# Altium PCB PCB_wordclocksmall_2022-11-05.pcbdoc (part 2 of 5)
Units mm, origin at the board's own origin, x right, y up, seen from the top; angles counter-clockwise.
Board outline 235.71 x 238.24 mm, 2 copper layers (Top Layer, Bottom Layer); 312 components, 226 nets, 1026 pads, 204 vias.
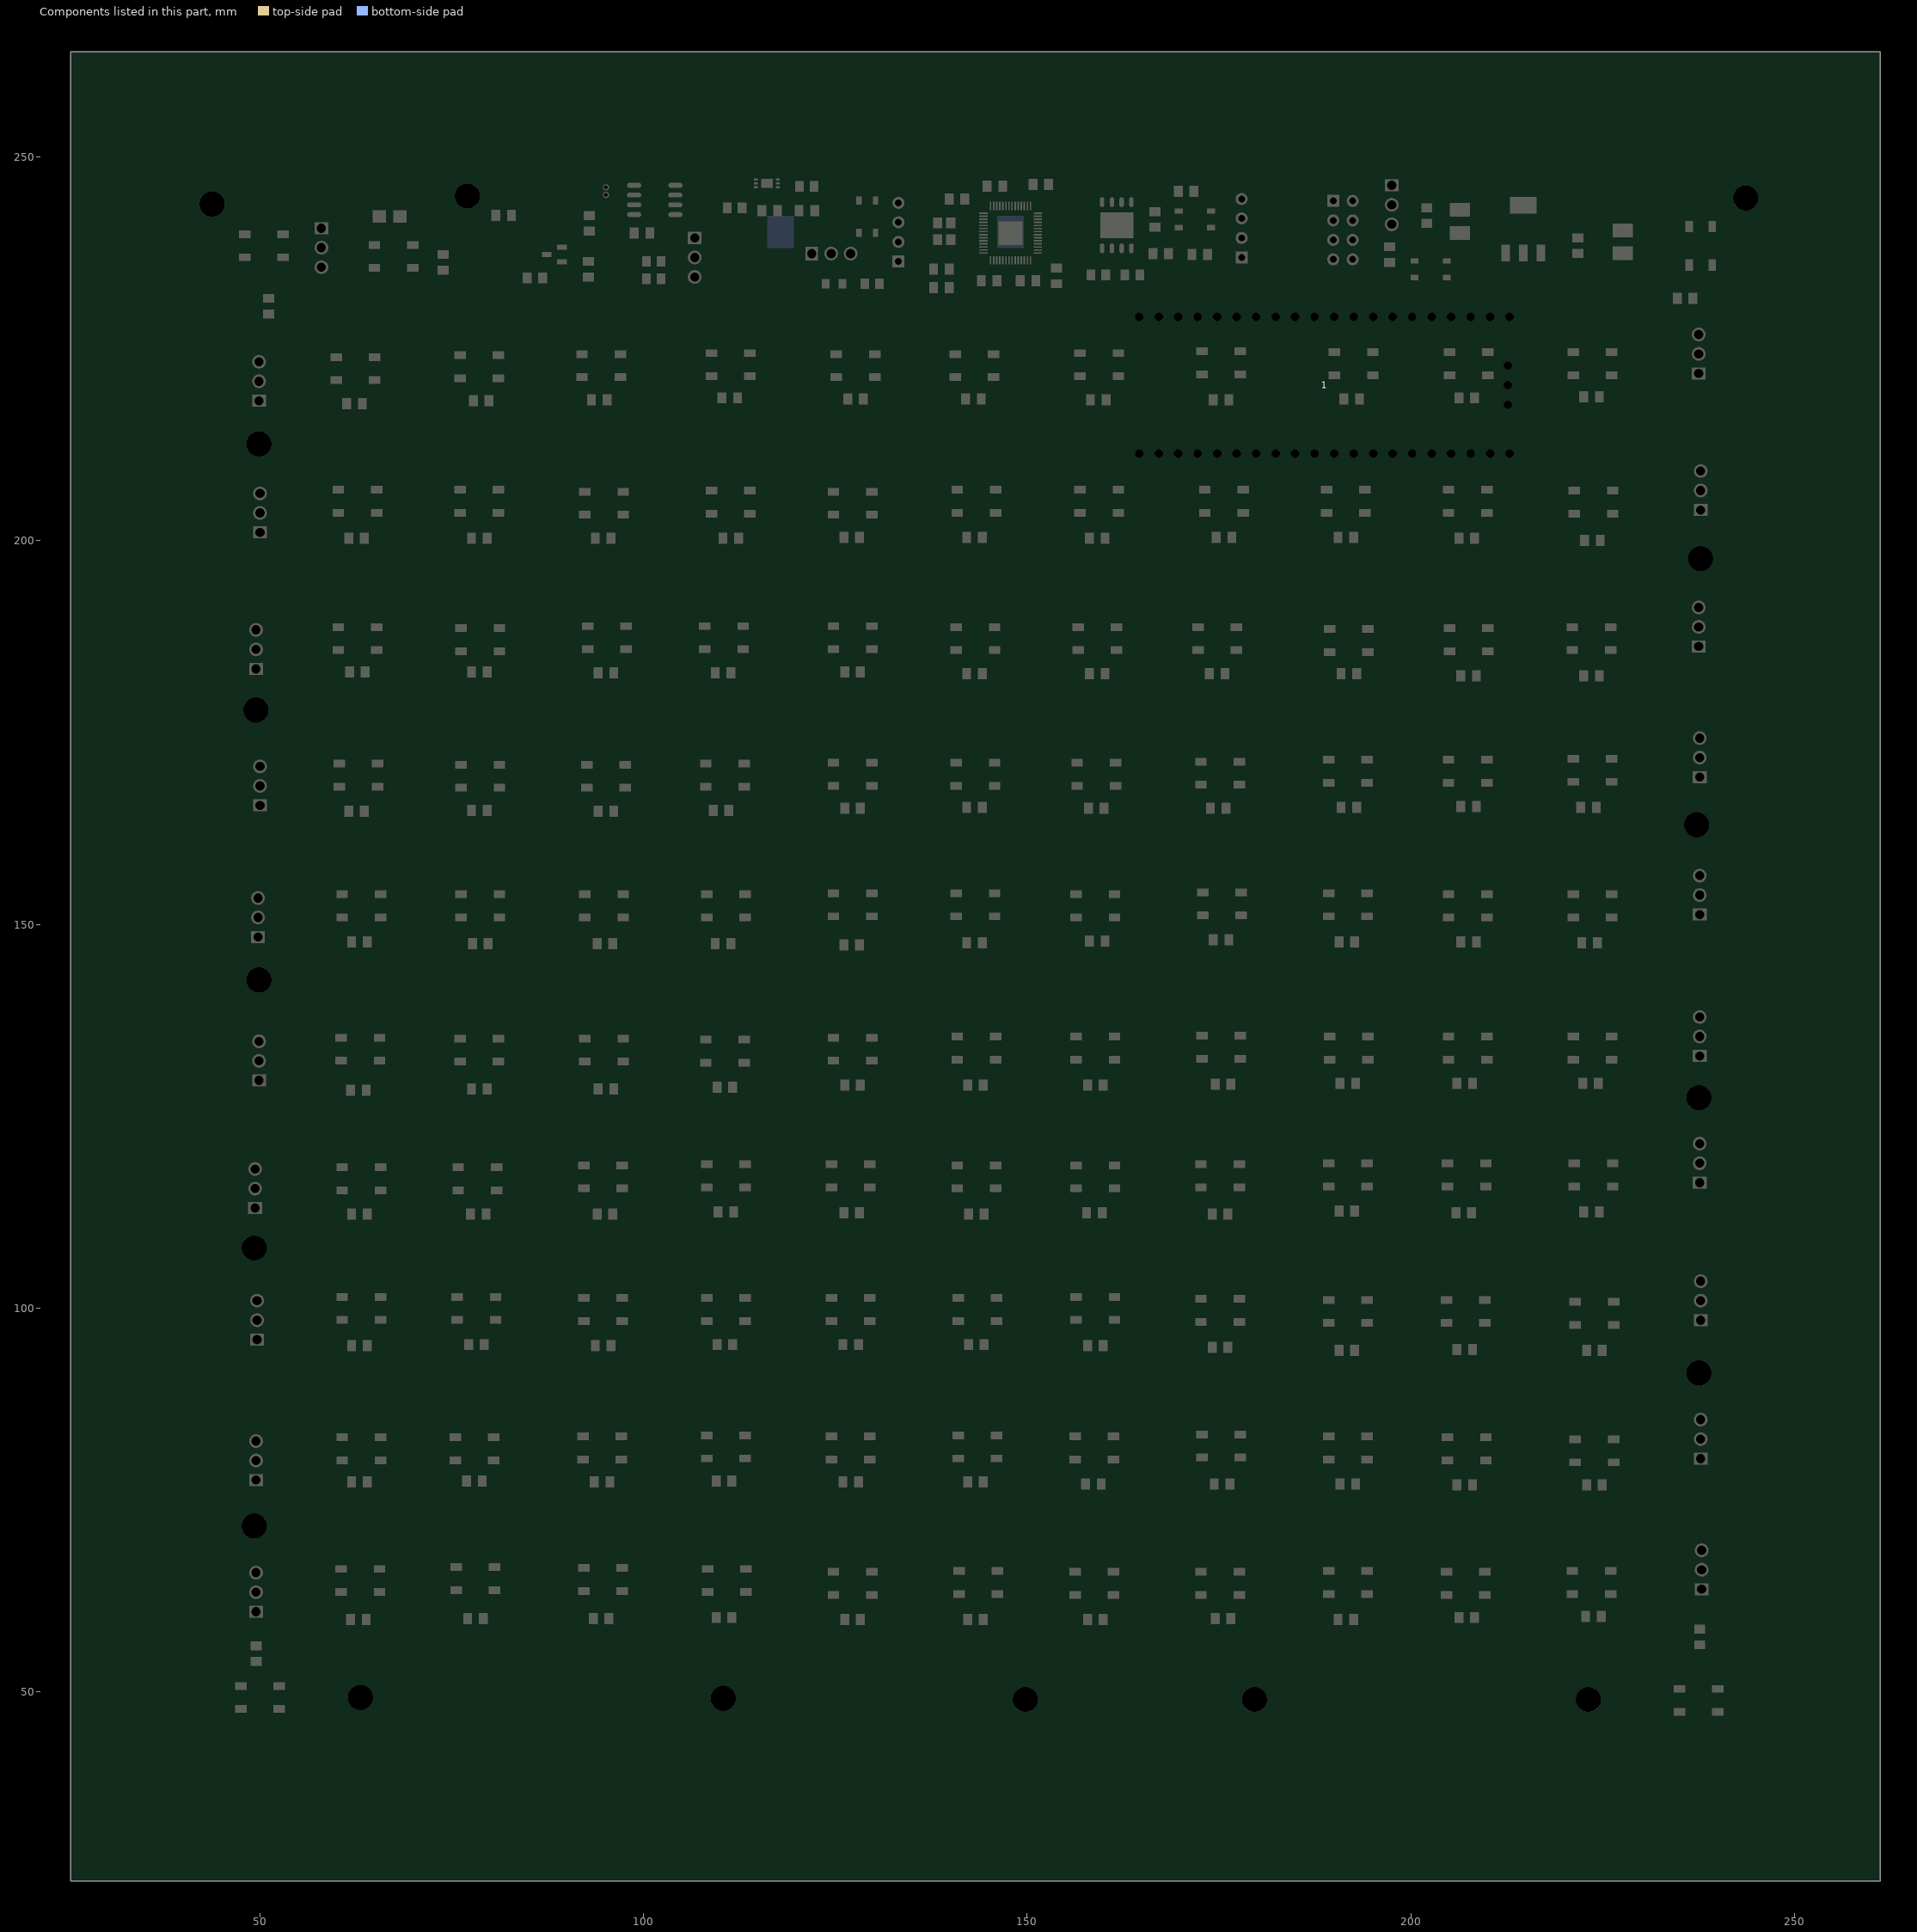
[diagram p2: the components of this part, seen from the top]

## Footprints (in the part's own frame and the unit in brackets; to place one, negate y for a bottom-side part, rotate by r counter-clockwise, add the part's x,y. Pads: shape width x height; smd on the part's side, far side on the other; paste and mask are expansions set on the pad) (continued)
RASPBERRYPIPICO [mm]
  round 0 hole 1.1 slot 1.1 at 90 deg: 3V3(OUT)(-10.16,-17.78) 3V3_EN(-7.62,-17.78) GND(-5.08,0) GND1(-17.78,0) GND2(-30.48,0) GND3(-43.18,0) GND4(-5.08,-17.78) GND5(-17.78,-17.78) GND6(-30.48,-17.78) GND7(-43.18,-17.78) GP0(0,0) GP1(-2.54,0) GP2(-7.62,0) GP3(-10.16,0) GP4(-12.7,0) GP5(-15.24,0) GP6(-20.32,0) GP7(-22.86,0) GP8(-25.4,0) GP9(-27.94,0) GP10(-33.02,0) GP11(-35.56,0) GP12(-38.1,0) GP13(-40.64,0) GP14(-45.72,0) GP15(-48.26,0) GP16(-48.26,-17.78) GP17(-45.72,-17.78) GP18(-40.64,-17.78) GP19(-38.1,-17.78) GP20(-35.56,-17.78) GP21(-33.02,-17.78) GP22(-27.94,-17.78) GP26(-22.86,-17.78) GP27(-20.32,-17.78) GP28(-15.24,-17.78) VSYS(-2.54,-17.78)
  round 0 hole 1.1 slot 1.1 at 0 deg: ADC_VREF(-12.7,-17.78) GND8(-48.03,-8.89) RUN(-25.4,-17.78) SWCLK(-48.03,-6.35) SWDIO(-48.03,-11.43) VBUS(0,-17.78)
  Top Layer region: 0.825,0 0.818,-0.103 0.799,-0.205 0.767,-0.304 0.723,-0.398 0.668,-0.485 0.601,-0.565 0.526,-0.636 0.442,-0.696 0.351,-0.747 0.255,-0.785 0.155,-0.81 0.052,-0.823 -0.052,-0.823 -0.155,-0.81 -0.255,-0.785 -0.351,-0.747 -0.442,-0.696 -0.526,-0.636 -0.601,-0.565 -0.668,-0.485 -0.723,-0.398 -0.767,-0.304 -0.799,-0.205 -0.818,-0.103 -0.825,0 -0.825,1.65 -0.818,1.753 -0.799,1.855 -0.767,1.954 -0.723,2.047 -0.668,2.135 -0.601,2.215 -0.526,2.286 -0.442,2.346 -0.351,2.396 -0.255,2.435 -0.155,2.46 -0.052,2.473 0.052,2.473 0.155,2.46 0.255,2.435 0.351,2.396 0.442,2.346 0.526,2.286 0.601,2.215 0.668,2.135 0.723,2.047 0.767,1.954 0.799,1.855 0.818,1.753 0.825,1.65
  Top Layer region: -1.715,0 -1.722,-0.103 -1.741,-0.205 -1.773,-0.304 -1.817,-0.398 -1.872,-0.485 -1.939,-0.565 -2.014,-0.636 -2.098,-0.696 -2.189,-0.747 -2.285,-0.785 -2.385,-0.81 -2.488,-0.823 -2.592,-0.823 -2.695,-0.81 -2.795,-0.785 -2.891,-0.747 -2.982,-0.696 -3.066,-0.636 -3.141,-0.565 -3.208,-0.485 -3.263,-0.398 -3.307,-0.304 -3.339,-0.205 -3.358,-0.103 -3.365,0 -3.365,1.65 -3.358,1.753 -3.339,1.855 -3.307,1.954 -3.263,2.047 -3.208,2.135 -3.141,2.215 -3.066,2.286 -2.982,2.346 -2.891,2.396 -2.795,2.435 -2.695,2.46 -2.592,2.473 -2.488,2.473 -2.385,2.46 -2.285,2.435 -2.189,2.396 -2.098,2.346 -2.014,2.286 -1.939,2.215 -1.872,2.135 -1.817,2.047 -1.773,1.954 -1.741,1.855 -1.722,1.753 -1.715,1.65
  Top Layer region: -4.255,0 -4.262,-0.103 -4.281,-0.205 -4.313,-0.304 -4.357,-0.398 -4.412,-0.485 -4.479,-0.565 -4.554,-0.636 -4.638,-0.696 -4.729,-0.747 -4.825,-0.785 -4.925,-0.81 -5.028,-0.823 -5.132,-0.823 -5.235,-0.81 -5.335,-0.785 -5.431,-0.747 -5.522,-0.696 -5.606,-0.636 -5.681,-0.565 -5.748,-0.485 -5.803,-0.398 -5.847,-0.304 -5.879,-0.205 -5.898,-0.103 -5.905,0 -5.905,1.65 -5.898,1.753 -5.879,1.855 -5.847,1.954 -5.803,2.047 -5.748,2.135 -5.681,2.215 -5.606,2.286 -5.522,2.346 -5.431,2.396 -5.335,2.435 -5.235,2.46 -5.132,2.473 -5.028,2.473 -4.925,2.46 -4.825,2.435 -4.729,2.396 -4.638,2.346 -4.554,2.286 -4.479,2.215 -4.412,2.135 -4.357,2.047 -4.313,1.954 -4.281,1.855 -4.262,1.753 -4.255,1.65
  Top Layer region: -6.795,0 -6.802,-0.103 -6.821,-0.205 -6.853,-0.304 -6.897,-0.398 -6.952,-0.485 -7.019,-0.565 -7.094,-0.636 -7.178,-0.696 -7.269,-0.747 -7.365,-0.785 -7.465,-0.81 -7.568,-0.823 -7.672,-0.823 -7.775,-0.81 -7.875,-0.785 -7.971,-0.747 -8.062,-0.696 -8.146,-0.636 -8.221,-0.565 -8.288,-0.485 -8.343,-0.398 -8.387,-0.304 -8.419,-0.205 -8.438,-0.103 -8.445,0 -8.445,1.65 -8.438,1.753 -8.419,1.855 -8.387,1.954 -8.343,2.047 -8.288,2.135 -8.221,2.215 -8.146,2.286 -8.062,2.346 -7.971,2.396 -7.875,2.435 -7.775,2.46 -7.672,2.473 -7.568,2.473 -7.465,2.46 -7.365,2.435 -7.269,2.396 -7.178,2.346 -7.094,2.286 -7.019,2.215 -6.952,2.135 -6.897,2.047 -6.853,1.954 -6.821,1.855 -6.802,1.753 -6.795,1.65
  Top Layer region: -9.335,0 -9.342,-0.103 -9.361,-0.205 -9.393,-0.304 -9.437,-0.398 -9.492,-0.485 -9.559,-0.565 -9.634,-0.636 -9.718,-0.696 -9.809,-0.747 -9.905,-0.785 -10.005,-0.81 -10.108,-0.823 -10.212,-0.823 -10.315,-0.81 -10.415,-0.785 -10.511,-0.747 -10.602,-0.696 -10.686,-0.636 -10.761,-0.565 -10.828,-0.485 -10.883,-0.398 -10.927,-0.304 -10.959,-0.205 -10.978,-0.103 -10.985,0 -10.985,1.65 -10.978,1.753 -10.959,1.855 -10.927,1.954 -10.883,2.047 -10.828,2.135 -10.761,2.215 -10.686,2.286 -10.602,2.346 -10.511,2.396 -10.415,2.435 -10.315,2.46 -10.212,2.473 -10.108,2.473 -10.005,2.46 -9.905,2.435 -9.809,2.396 -9.718,2.346 -9.634,2.286 -9.559,2.215 -9.492,2.135 -9.437,2.047 -9.393,1.954 -9.361,1.855 -9.342,1.753 -9.335,1.65
  Top Layer region: -11.875,0 -11.881,-0.103 -11.901,-0.205 -11.933,-0.304 -11.977,-0.398 -12.032,-0.485 -12.099,-0.565 -12.174,-0.636 -12.258,-0.696 -12.349,-0.747 -12.445,-0.785 -12.545,-0.81 -12.648,-0.823 -12.752,-0.823 -12.855,-0.81 -12.955,-0.785 -13.051,-0.747 -13.142,-0.696 -13.226,-0.636 -13.301,-0.565 -13.368,-0.485 -13.423,-0.398 -13.467,-0.304 -13.499,-0.205 -13.518,-0.103 -13.525,0 -13.525,1.65 -13.518,1.753 -13.499,1.855 -13.467,1.954 -13.423,2.047 -13.368,2.135 -13.301,2.215 -13.226,2.286 -13.142,2.346 -13.051,2.396 -12.955,2.435 -12.855,2.46 -12.752,2.473 -12.648,2.473 -12.545,2.46 -12.445,2.435 -12.349,2.396 -12.258,2.346 -12.174,2.286 -12.099,2.215 -12.032,2.135 -11.977,2.047 -11.933,1.954 -11.901,1.855 -11.881,1.753 -11.875,1.65
  Top Layer region: -14.415,0 -14.421,-0.103 -14.441,-0.205 -14.473,-0.304 -14.517,-0.398 -14.572,-0.485 -14.639,-0.565 -14.714,-0.636 -14.798,-0.696 -14.889,-0.747 -14.985,-0.785 -15.085,-0.81 -15.188,-0.823 -15.292,-0.823 -15.394,-0.81 -15.495,-0.785 -15.591,-0.747 -15.682,-0.696 -15.766,-0.636 -15.841,-0.565 -15.908,-0.485 -15.963,-0.398 -16.007,-0.304 -16.039,-0.205 -16.058,-0.103 -16.065,0 -16.065,1.65 -16.058,1.753 -16.039,1.855 -16.007,1.954 -15.963,2.047 -15.908,2.135 -15.841,2.215 -15.766,2.286 -15.682,2.346 -15.591,2.396 -15.495,2.435 -15.394,2.46 -15.292,2.473 -15.188,2.473 -15.085,2.46 -14.985,2.435 -14.889,2.396 -14.798,2.346 -14.714,2.286 -14.639,2.215 -14.572,2.135 -14.517,2.047 -14.473,1.954 -14.441,1.855 -14.421,1.753 -14.415,1.65
  Top Layer region: -16.955,0 -16.961,-0.103 -16.981,-0.205 -17.013,-0.304 -17.057,-0.398 -17.112,-0.485 -17.179,-0.565 -17.254,-0.636 -17.338,-0.696 -17.429,-0.747 -17.525,-0.785 -17.625,-0.81 -17.728,-0.823 -17.832,-0.823 -17.934,-0.81 -18.035,-0.785 -18.131,-0.747 -18.222,-0.696 -18.306,-0.636 -18.381,-0.565 -18.448,-0.485 -18.503,-0.398 -18.547,-0.304 -18.579,-0.205 -18.598,-0.103 -18.605,0 -18.605,1.65 -18.598,1.753 -18.579,1.855 -18.547,1.954 -18.503,2.047 -18.448,2.135 -18.381,2.215 -18.306,2.286 -18.222,2.346 -18.131,2.396 -18.035,2.435 -17.934,2.46 -17.832,2.473 -17.728,2.473 -17.625,2.46 -17.525,2.435 -17.429,2.396 -17.338,2.346 -17.254,2.286 -17.179,2.215 -17.112,2.135 -17.057,2.047 -17.013,1.954 -16.981,1.855 -16.961,1.753 -16.955,1.65
  Top Layer region: -19.495,0 -19.501,-0.103 -19.521,-0.205 -19.553,-0.304 -19.597,-0.398 -19.652,-0.485 -19.719,-0.565 -19.794,-0.636 -19.878,-0.696 -19.969,-0.747 -20.065,-0.785 -20.165,-0.81 -20.268,-0.823 -20.372,-0.823 -20.474,-0.81 -20.575,-0.785 -20.671,-0.747 -20.762,-0.696 -20.846,-0.636 -20.921,-0.565 -20.988,-0.485 -21.043,-0.398 -21.087,-0.304 -21.119,-0.205 -21.138,-0.103 -21.145,0 -21.145,1.65 -21.138,1.753 -21.119,1.855 -21.087,1.954 -21.043,2.047 -20.988,2.135 -20.921,2.215 -20.846,2.286 -20.762,2.346 -20.671,2.396 -20.575,2.435 -20.474,2.46 -20.372,2.473 -20.268,2.473 -20.165,2.46 -20.065,2.435 -19.969,2.396 -19.878,2.346 -19.794,2.286 -19.719,2.215 -19.652,2.135 -19.597,2.047 -19.553,1.954 -19.521,1.855 -19.501,1.753 -19.495,1.65
  Top Layer region: -22.035,0 -22.041,-0.103 -22.061,-0.205 -22.093,-0.304 -22.137,-0.398 -22.192,-0.485 -22.259,-0.565 -22.334,-0.636 -22.418,-0.696 -22.509,-0.747 -22.605,-0.785 -22.705,-0.81 -22.808,-0.823 -22.912,-0.823 -23.014,-0.81 -23.115,-0.785 -23.211,-0.747 -23.302,-0.696 -23.386,-0.636 -23.461,-0.565 -23.528,-0.485 -23.583,-0.398 -23.627,-0.304 -23.659,-0.205 -23.678,-0.103 -23.685,0 -23.685,1.65 -23.678,1.753 -23.659,1.855 -23.627,1.954 -23.583,2.047 -23.528,2.135 -23.461,2.215 -23.386,2.286 -23.302,2.346 -23.211,2.396 -23.115,2.435 -23.014,2.46 -22.912,2.473 -22.808,2.473 -22.705,2.46 -22.605,2.435 -22.509,2.396 -22.418,2.346 -22.334,2.286 -22.259,2.215 -22.192,2.135 -22.137,2.047 -22.093,1.954 -22.061,1.855 -22.041,1.753 -22.035,1.65
  Top Layer region: -24.575,0 -24.581,-0.103 -24.601,-0.205 -24.633,-0.304 -24.677,-0.398 -24.732,-0.485 -24.799,-0.565 -24.874,-0.636 -24.958,-0.696 -25.049,-0.747 -25.145,-0.785 -25.245,-0.81 -25.348,-0.823 -25.452,-0.823 -25.554,-0.81 -25.655,-0.785 -25.751,-0.747 -25.842,-0.696 -25.926,-0.636 -26.001,-0.565 -26.068,-0.485 -26.123,-0.398 -26.167,-0.304 -26.199,-0.205 -26.218,-0.103 -26.225,0 -26.225,1.65 -26.218,1.753 -26.199,1.855 -26.167,1.954 -26.123,2.047 -26.068,2.135 -26.001,2.215 -25.926,2.286 -25.842,2.346 -25.751,2.396 -25.655,2.435 -25.554,2.46 -25.452,2.473 -25.348,2.473 -25.245,2.46 -25.145,2.435 -25.049,2.396 -24.958,2.346 -24.874,2.286 -24.799,2.215 -24.732,2.135 -24.677,2.047 -24.633,1.954 -24.601,1.855 -24.581,1.753 -24.575,1.65
  Top Layer region: -27.115,0 -27.121,-0.103 -27.141,-0.205 -27.173,-0.304 -27.217,-0.398 -27.272,-0.485 -27.339,-0.565 -27.414,-0.636 -27.498,-0.696 -27.589,-0.747 -27.685,-0.785 -27.785,-0.81 -27.888,-0.823 -27.992,-0.823 -28.094,-0.81 -28.195,-0.785 -28.291,-0.747 -28.382,-0.696 -28.466,-0.636 -28.541,-0.565 -28.607,-0.485 -28.663,-0.398 -28.707,-0.304 -28.739,-0.205 -28.758,-0.103 -28.765,0 -28.765,1.65 -28.758,1.753 -28.739,1.855 -28.707,1.954 -28.663,2.047 -28.607,2.135 -28.541,2.215 -28.466,2.286 -28.382,2.346 -28.291,2.396 -28.195,2.435 -28.094,2.46 -27.992,2.473 -27.888,2.473 -27.785,2.46 -27.685,2.435 -27.589,2.396 -27.498,2.346 -27.414,2.286 -27.339,2.215 -27.272,2.135 -27.217,2.047 -27.173,1.954 -27.141,1.855 -27.121,1.753 -27.115,1.65
  Top Layer region: -29.655,0 -29.661,-0.103 -29.681,-0.205 -29.713,-0.304 -29.757,-0.398 -29.812,-0.485 -29.879,-0.565 -29.954,-0.636 -30.038,-0.696 -30.129,-0.747 -30.225,-0.785 -30.325,-0.81 -30.428,-0.823 -30.532,-0.823 -30.634,-0.81 -30.735,-0.785 -30.831,-0.747 -30.922,-0.696 -31.006,-0.636 -31.081,-0.565 -31.147,-0.485 -31.203,-0.398 -31.247,-0.304 -31.279,-0.205 -31.298,-0.103 -31.305,0 -31.305,1.65 -31.298,1.753 -31.279,1.855 -31.247,1.954 -31.203,2.047 -31.147,2.135 -31.081,2.215 -31.006,2.286 -30.922,2.346 -30.831,2.396 -30.735,2.435 -30.634,2.46 -30.532,2.473 -30.428,2.473 -30.325,2.46 -30.225,2.435 -30.129,2.396 -30.038,2.346 -29.954,2.286 -29.879,2.215 -29.812,2.135 -29.757,2.047 -29.713,1.954 -29.681,1.855 -29.661,1.753 -29.655,1.65
  Top Layer region: -32.195,0 -32.201,-0.103 -32.221,-0.205 -32.253,-0.304 -32.297,-0.398 -32.352,-0.485 -32.419,-0.565 -32.494,-0.636 -32.578,-0.696 -32.669,-0.747 -32.765,-0.785 -32.865,-0.81 -32.968,-0.823 -33.072,-0.823 -33.174,-0.81 -33.275,-0.785 -33.371,-0.747 -33.462,-0.696 -33.546,-0.636 -33.621,-0.565 -33.687,-0.485 -33.743,-0.398 -33.787,-0.304 -33.819,-0.205 -33.838,-0.103 -33.845,0 -33.845,1.65 -33.838,1.753 -33.819,1.855 -33.787,1.954 -33.743,2.047 -33.687,2.135 -33.621,2.215 -33.546,2.286 -33.462,2.346 -33.371,2.396 -33.275,2.435 -33.174,2.46 -33.072,2.473 -32.968,2.473 -32.865,2.46 -32.765,2.435 -32.669,2.396 -32.578,2.346 -32.494,2.286 -32.419,2.215 -32.352,2.135 -32.297,2.047 -32.253,1.954 -32.221,1.855 -32.201,1.753 -32.195,1.65
  Top Layer region: -34.735,0 -34.741,-0.103 -34.761,-0.205 -34.793,-0.304 -34.837,-0.398 -34.892,-0.485 -34.959,-0.565 -35.034,-0.636 -35.118,-0.696 -35.209,-0.747 -35.305,-0.785 -35.405,-0.81 -35.508,-0.823 -35.612,-0.823 -35.714,-0.81 -35.815,-0.785 -35.911,-0.747 -36.002,-0.696 -36.086,-0.636 -36.161,-0.565 -36.227,-0.485 -36.283,-0.398 -36.327,-0.304 -36.359,-0.205 -36.378,-0.103 -36.385,0 -36.385,1.65 -36.378,1.753 -36.359,1.855 -36.327,1.954 -36.283,2.047 -36.227,2.135 -36.161,2.215 -36.086,2.286 -36.002,2.346 -35.911,2.396 -35.815,2.435 -35.714,2.46 -35.612,2.473 -35.508,2.473 -35.405,2.46 -35.305,2.435 -35.209,2.396 -35.118,2.346 -35.034,2.286 -34.959,2.215 -34.892,2.135 -34.837,2.047 -34.793,1.954 -34.761,1.855 -34.741,1.753 -34.735,1.65
  Top Layer region: -37.275,0 -37.281,-0.103 -37.301,-0.205 -37.333,-0.304 -37.377,-0.398 -37.432,-0.485 -37.499,-0.565 -37.574,-0.636 -37.658,-0.696 -37.749,-0.747 -37.845,-0.785 -37.945,-0.81 -38.048,-0.823 -38.152,-0.823 -38.254,-0.81 -38.355,-0.785 -38.451,-0.747 -38.542,-0.696 -38.626,-0.636 -38.701,-0.565 -38.767,-0.485 -38.823,-0.398 -38.867,-0.304 -38.899,-0.205 -38.918,-0.103 -38.925,0 -38.925,1.65 -38.918,1.753 -38.899,1.855 -38.867,1.954 -38.823,2.047 -38.767,2.135 -38.701,2.215 -38.626,2.286 -38.542,2.346 -38.451,2.396 -38.355,2.435 -38.254,2.46 -38.152,2.473 -38.048,2.473 -37.945,2.46 -37.845,2.435 -37.749,2.396 -37.658,2.346 -37.574,2.286 -37.499,2.215 -37.432,2.135 -37.377,2.047 -37.333,1.954 -37.301,1.855 -37.281,1.753 -37.275,1.65
  Top Layer region: -39.815,0 -39.821,-0.103 -39.841,-0.205 -39.873,-0.304 -39.917,-0.398 -39.972,-0.485 -40.039,-0.565 -40.114,-0.636 -40.198,-0.696 -40.289,-0.747 -40.385,-0.785 -40.485,-0.81 -40.588,-0.823 -40.692,-0.823 -40.794,-0.81 -40.895,-0.785 -40.991,-0.747 -41.082,-0.696 -41.166,-0.636 -41.241,-0.565 -41.307,-0.485 -41.363,-0.398 -41.407,-0.304 -41.439,-0.205 -41.458,-0.103 -41.465,0 -41.465,1.65 -41.458,1.753 -41.439,1.855 -41.407,1.954 -41.363,2.047 -41.307,2.135 -41.241,2.215 -41.166,2.286 -41.082,2.346 -40.991,2.396 -40.895,2.435 -40.794,2.46 -40.692,2.473 -40.588,2.473 -40.485,2.46 -40.385,2.435 -40.289,2.396 -40.198,2.346 -40.114,2.286 -40.039,2.215 -39.972,2.135 -39.917,2.047 -39.873,1.954 -39.841,1.855 -39.821,1.753 -39.815,1.65
  Top Layer region: -42.355,0 -42.361,-0.103 -42.381,-0.205 -42.413,-0.304 -42.457,-0.398 -42.512,-0.485 -42.579,-0.565 -42.654,-0.636 -42.738,-0.696 -42.829,-0.747 -42.925,-0.785 -43.025,-0.81 -43.128,-0.823 -43.232,-0.823 -43.334,-0.81 -43.435,-0.785 -43.531,-0.747 -43.622,-0.696 -43.706,-0.636 -43.781,-0.565 -43.847,-0.485 -43.903,-0.398 -43.947,-0.304 -43.979,-0.205 -43.998,-0.103 -44.005,0 -44.005,1.65 -43.998,1.753 -43.979,1.855 -43.947,1.954 -43.903,2.047 -43.847,2.135 -43.781,2.215 -43.706,2.286 -43.622,2.346 -43.531,2.396 -43.435,2.435 -43.334,2.46 -43.232,2.473 -43.128,2.473 -43.025,2.46 -42.925,2.435 -42.829,2.396 -42.738,2.346 -42.654,2.286 -42.579,2.215 -42.512,2.135 -42.457,2.047 -42.413,1.954 -42.381,1.855 -42.361,1.753 -42.355,1.65
  Top Layer region: -44.895,0 -44.901,-0.103 -44.921,-0.205 -44.953,-0.304 -44.997,-0.398 -45.052,-0.485 -45.119,-0.565 -45.194,-0.636 -45.278,-0.696 -45.369,-0.747 -45.465,-0.785 -45.565,-0.81 -45.668,-0.823 -45.772,-0.823 -45.874,-0.81 -45.975,-0.785 -46.071,-0.747 -46.162,-0.696 -46.246,-0.636 -46.321,-0.565 -46.387,-0.485 -46.443,-0.398 -46.487,-0.304 -46.519,-0.205 -46.538,-0.103 -46.545,0 -46.545,1.65 -46.538,1.753 -46.519,1.855 -46.487,1.954 -46.443,2.047 -46.387,2.135 -46.321,2.215 -46.246,2.286 -46.162,2.346 -46.071,2.396 -45.975,2.435 -45.874,2.46 -45.772,2.473 -45.668,2.473 -45.565,2.46 -45.465,2.435 -45.369,2.396 -45.278,2.346 -45.194,2.286 -45.119,2.215 -45.052,2.135 -44.997,2.047 -44.953,1.954 -44.921,1.855 -44.901,1.753 -44.895,1.65
  Top Layer region: -47.435,0 -47.441,-0.103 -47.461,-0.205 -47.493,-0.304 -47.537,-0.398 -47.592,-0.485 -47.659,-0.565 -47.734,-0.636 -47.818,-0.696 -47.909,-0.747 -48.005,-0.785 -48.105,-0.81 -48.208,-0.823 -48.312,-0.823 -48.414,-0.81 -48.515,-0.785 -48.611,-0.747 -48.702,-0.696 -48.786,-0.636 -48.861,-0.565 -48.927,-0.485 -48.983,-0.398 -49.027,-0.304 -49.059,-0.205 -49.078,-0.103 -49.085,0 -49.085,1.65 -49.078,1.753 -49.059,1.855 -49.027,1.954 -48.983,2.047 -48.927,2.135 -48.861,2.215 -48.786,2.286 -48.702,2.346 -48.611,2.396 -48.515,2.435 -48.414,2.46 -48.312,2.473 -48.208,2.473 -48.105,2.46 -48.005,2.435 -47.909,2.396 -47.818,2.346 -47.734,2.286 -47.659,2.215 -47.592,2.135 -47.537,2.047 -47.493,1.954 -47.461,1.855 -47.441,1.753 -47.435,1.65
  Top Layer region: -49.085,-17.78 -49.078,-17.677 -49.059,-17.575 -49.027,-17.476 -48.983,-17.382 -48.927,-17.295 -48.861,-17.215 -48.786,-17.144 -48.702,-17.083 -48.611,-17.033 -48.515,-16.995 -48.414,-16.969 -48.312,-16.957 -48.208,-16.957 -48.105,-16.969 -48.005,-16.995 -47.909,-17.033 -47.818,-17.083 -47.734,-17.144 -47.659,-17.215 -47.592,-17.295 -47.537,-17.382 -47.493,-17.476 -47.461,-17.575 -47.441,-17.677 -47.435,-17.78 -47.435,-19.43 -47.441,-19.533 -47.461,-19.635 -47.493,-19.734 -47.537,-19.827 -47.592,-19.915 -47.659,-19.995 -47.734,-20.066 -47.818,-20.126 -47.909,-20.176 -48.005,-20.215 -48.105,-20.24 -48.208,-20.253 -48.312,-20.253 -48.414,-20.24 -48.515,-20.215 -48.611,-20.176 -48.702,-20.126 -48.786,-20.066 -48.861,-19.995 -48.927,-19.915 -48.983,-19.827 -49.027,-19.734 -49.059,-19.635 -49.078,-19.533 -49.085,-19.43
  Top Layer region: -46.545,-17.78 -46.538,-17.677 -46.519,-17.575 -46.487,-17.476 -46.443,-17.382 -46.387,-17.295 -46.321,-17.215 -46.246,-17.144 -46.162,-17.083 -46.071,-17.033 -45.975,-16.995 -45.874,-16.969 -45.772,-16.957 -45.668,-16.957 -45.565,-16.969 -45.465,-16.995 -45.369,-17.033 -45.278,-17.083 -45.194,-17.144 -45.119,-17.215 -45.052,-17.295 -44.997,-17.382 -44.953,-17.476 -44.921,-17.575 -44.901,-17.677 -44.895,-17.78 -44.895,-19.43 -44.901,-19.533 -44.921,-19.635 -44.953,-19.734 -44.997,-19.827 -45.052,-19.915 -45.119,-19.995 -45.194,-20.066 -45.278,-20.126 -45.369,-20.176 -45.465,-20.215 -45.565,-20.24 -45.668,-20.253 -45.772,-20.253 -45.874,-20.24 -45.975,-20.215 -46.071,-20.176 -46.162,-20.126 -46.246,-20.066 -46.321,-19.995 -46.387,-19.915 -46.443,-19.827 -46.487,-19.734 -46.519,-19.635 -46.538,-19.533 -46.545,-19.43
  Top Layer region: -44.005,-17.78 -43.998,-17.677 -43.979,-17.575 -43.947,-17.476 -43.903,-17.382 -43.847,-17.295 -43.781,-17.215 -43.706,-17.144 -43.622,-17.083 -43.531,-17.033 -43.435,-16.995 -43.334,-16.969 -43.232,-16.957 -43.128,-16.957 -43.025,-16.969 -42.925,-16.995 -42.829,-17.033 -42.738,-17.083 -42.654,-17.144 -42.579,-17.215 -42.512,-17.295 -42.457,-17.382 -42.413,-17.476 -42.381,-17.575 -42.361,-17.677 -42.355,-17.78 -42.355,-19.43 -42.361,-19.533 -42.381,-19.635 -42.413,-19.734 -42.457,-19.827 -42.512,-19.915 -42.579,-19.995 -42.654,-20.066 -42.738,-20.126 -42.829,-20.176 -42.925,-20.215 -43.025,-20.24 -43.128,-20.253 -43.232,-20.253 -43.334,-20.24 -43.435,-20.215 -43.531,-20.176 -43.622,-20.126 -43.706,-20.066 -43.781,-19.995 -43.847,-19.915 -43.903,-19.827 -43.947,-19.734 -43.979,-19.635 -43.998,-19.533 -44.005,-19.43
  Top Layer region: -41.465,-17.78 -41.458,-17.677 -41.439,-17.575 -41.407,-17.476 -41.363,-17.382 -41.307,-17.295 -41.241,-17.215 -41.166,-17.144 -41.082,-17.083 -40.991,-17.033 -40.895,-16.995 -40.794,-16.969 -40.692,-16.957 -40.588,-16.957 -40.485,-16.969 -40.385,-16.995 -40.289,-17.033 -40.198,-17.083 -40.114,-17.144 -40.039,-17.215 -39.972,-17.295 -39.917,-17.382 -39.873,-17.476 -39.841,-17.575 -39.821,-17.677 -39.815,-17.78 -39.815,-19.43 -39.821,-19.533 -39.841,-19.635 -39.873,-19.734 -39.917,-19.827 -39.972,-19.915 -40.039,-19.995 -40.114,-20.066 -40.198,-20.126 -40.289,-20.176 -40.385,-20.215 -40.485,-20.24 -40.588,-20.253 -40.692,-20.253 -40.794,-20.24 -40.895,-20.215 -40.991,-20.176 -41.082,-20.126 -41.166,-20.066 -41.241,-19.995 -41.307,-19.915 -41.363,-19.827 -41.407,-19.734 -41.439,-19.635 -41.458,-19.533 -41.465,-19.43
  Top Layer region: -38.925,-17.78 -38.918,-17.677 -38.899,-17.575 -38.867,-17.476 -38.823,-17.382 -38.767,-17.295 -38.701,-17.215 -38.626,-17.144 -38.542,-17.083 -38.451,-17.033 -38.355,-16.995 -38.254,-16.969 -38.152,-16.957 -38.048,-16.957 -37.945,-16.969 -37.845,-16.995 -37.749,-17.033 -37.658,-17.083 -37.574,-17.144 -37.499,-17.215 -37.432,-17.295 -37.377,-17.382 -37.333,-17.476 -37.301,-17.575 -37.281,-17.677 -37.275,-17.78 -37.275,-19.43 -37.281,-19.533 -37.301,-19.635 -37.333,-19.734 -37.377,-19.827 -37.432,-19.915 -37.499,-19.995 -37.574,-20.066 -37.658,-20.126 -37.749,-20.176 -37.845,-20.215 -37.945,-20.24 -38.048,-20.253 -38.152,-20.253 -38.254,-20.24 -38.355,-20.215 -38.451,-20.176 -38.542,-20.126 -38.626,-20.066 -38.701,-19.995 -38.767,-19.915 -38.823,-19.827 -38.867,-19.734 -38.899,-19.635 -38.918,-19.533 -38.925,-19.43